# KiCad board pompyboard.kicad_pcb (continued)
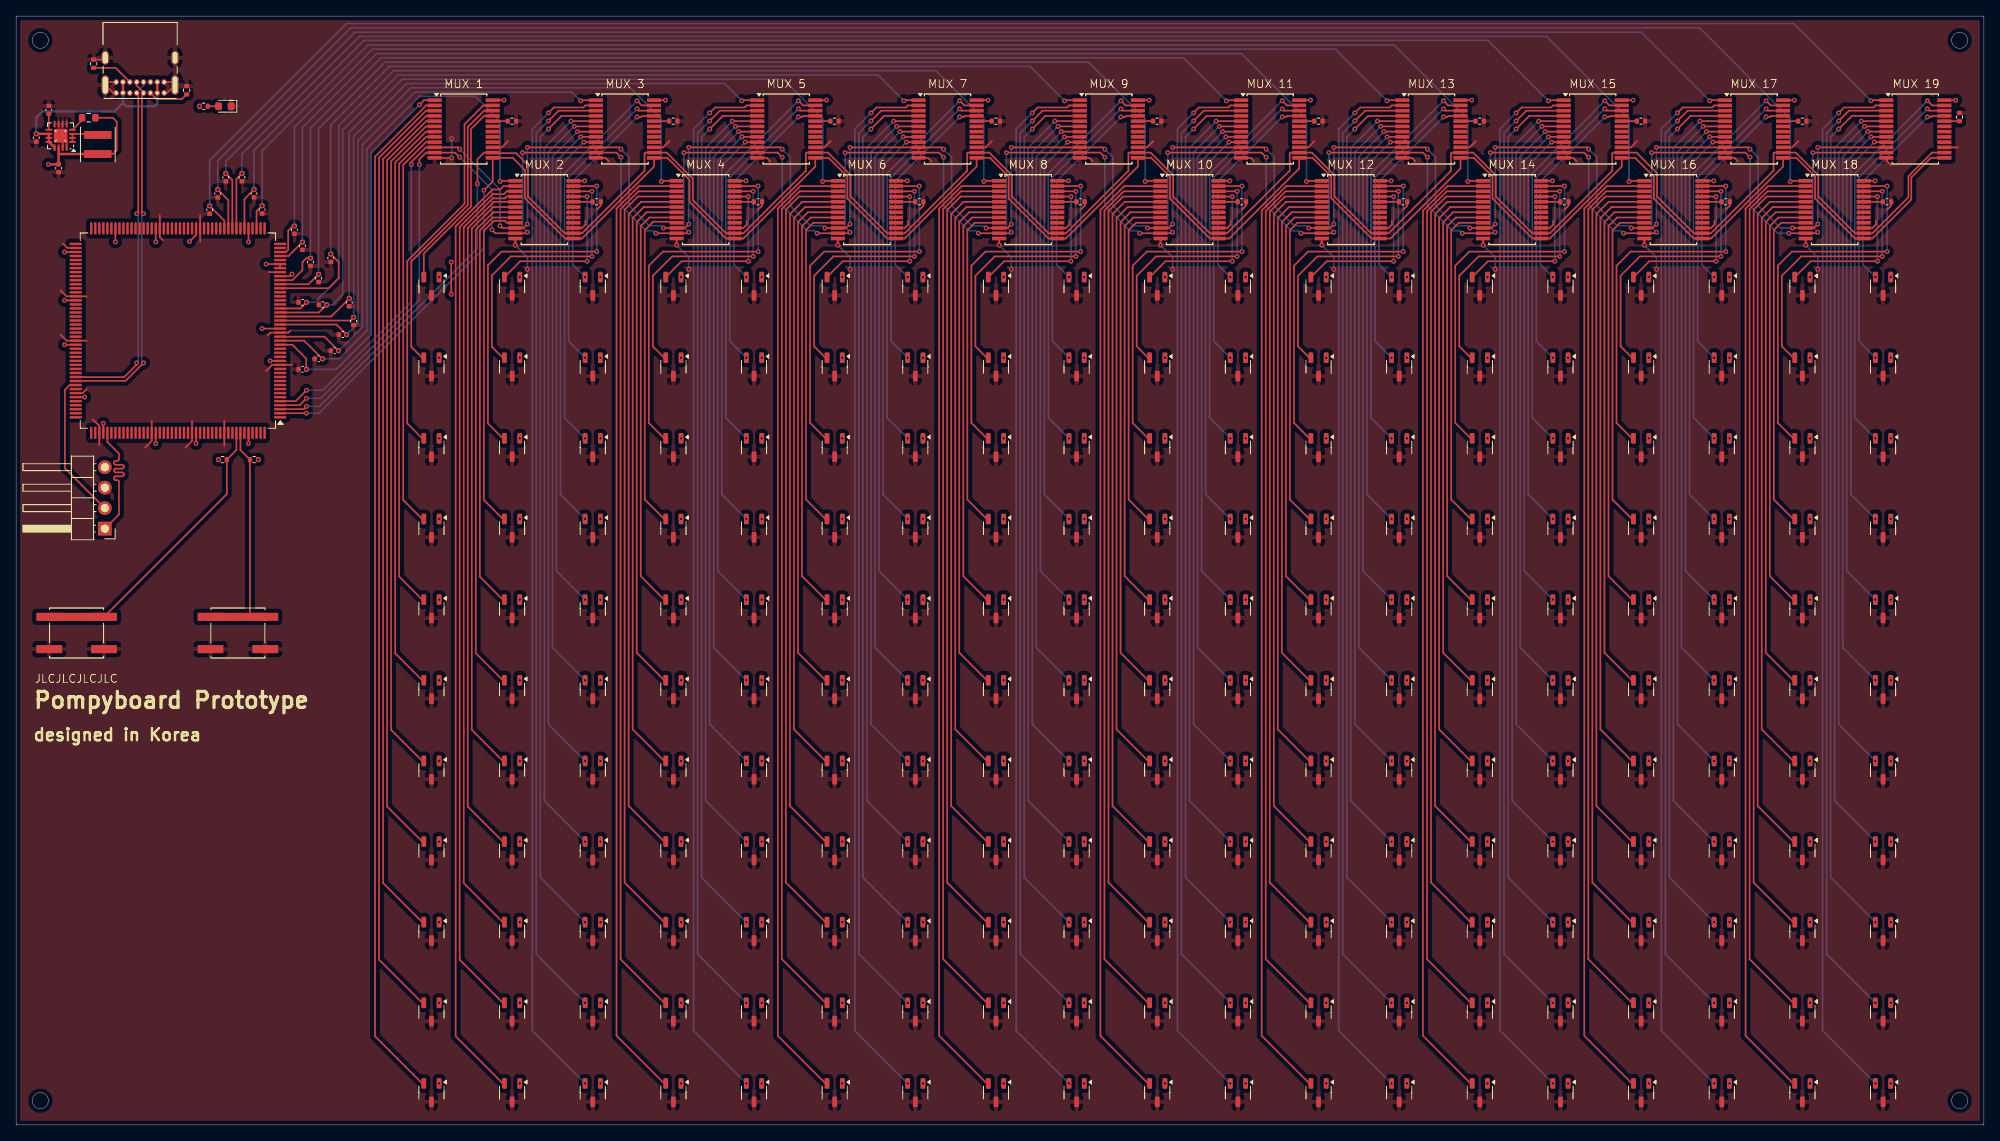
[diagram p0: board, top side]
## Footprints (pads in the part's own frame, mm; a bottom-side part is the same pattern mirrored in y, then rotated) (continued)
  rrect 0.25x0.825 smd: 5(-0.75,-1.462) 6(-0.25,-1.462) 7(0.25,-1.462) 8(0.75,-1.462) 13(0.75,1.462) 14(0.25,1.462) 15(-0.25,1.462) 16(-0.75,1.462)
  round 0.5 hole 0.2: 17(-0.59,0.59) 17(-0.59,-0.59) 17(0.59,0.59) 17(0.59,-0.59)
  rect 1.68x1.68 smd: 17(0,0)
  rect 1.68x1.68 smd far side: 17(0,0)

## Nets
3.3V: C22.1 J2.4 L1.2 R20.1 R21.1 R24.1 R25.1 U1.1 U2.1 U3.1 U4.1 U5.1 U6.1 U7.1 U8.1 U9.1 U10.1 U11.1 U12.1 U13.1 U14.1 U15.1 U16.1 U17.1 U18.1 U19.1 U20.1 U21.1 U22.1 U23.1 U24.1 U25.1 U26.1 U27.1 U28.1 U29.1 U30.1 U31.1 U32.1 U33.1 U34.1 U35.1 U36.1 U37.1 U38.1 U39.1 U40.1 U41.1 U42.1 U43.1 U44.1 U45.1 U46.1 U47.1 U48.1 U49.1 U50.1 U51.1 U52.1 U53.1 U54.1 U55.1 U56.1 U57.1 U58.1 U59.1 U60.1 U61.1 U62.1 U63.1 U64.1 U65.1 U66.1 U67.1 U68.1 U69.1 U70.1 U71.1 U72.1 U73.1 U74.1 U75.1 U76.1 U77.1 U78.1 U79.1 U80.1 U81.1 U82.1 U83.1 U84.1 U85.1 U86.1 U87.1 U88.1 U89.1 U90.1 U91.1 U92.1 U93.1 U94.1 U95.1 U96.1 U97.1 U98.1 U99.1 U100.1 U101.1 U102.1 U103.1 U104.1 U105.1 U106.1 U107.1 U108.1 U109.1 U110.1 U111.1 U112.1 U113.1 U114.1 U115.1 U116.1 U117.1 U118.1 U119.1 U120.1 U121.1 U122.1 U123.1 U124.1 U125.1 U126.1 U127.1 U128.1 U129.1 U130.1 U131.1 U132.1 U133.1 U134.1 U135.1 U136.1 U137.1 U138.1 U139.1 U140.1 U141.1 U142.1 U143.1 U144.1 U145.1 U146.1 U147.1 U148.1 U149.1 U150.1 U151.1 U152.1 U153.1 U154.1 U155.1 U156.1 U157.1 U158.1 U159.1 U160.1 U161.1 U162.1 U163.1 U164.1 U165.1 U166.1 U167.1 U168.1 U169.1 U170.1 U171.1 U172.1 U173.1 U174.1 U175.1 U176.1 U177.1 U178.1 U179.1 U180.1 U181.1 U182.1 U183.1 U184.1 U185.1 U186.1 U187.1 U188.1 U189.1 U190.1 U191.1 U192.1 U193.1 U194.1 U195.1 U196.1 U197.1 U198.1 U199.1 U200.1 U201.1 U202.1 U203.1 U204.1 U205.1 U206.1 U207.1 U208.1 U209.1 U210.24 U211.24 U212.24 U213.24 U214.24 U215.24 U216.24 U217.24 U218.24 U219.24 U220.24 U221.24 U222.24 U223.24 U224.24 U225.24 U226.24 U227.24 U228.24 U229.15 U229.23 U229.36 U229.38 U229.39 U229.49 U229.62 U229.72 U229.82 U229.91 U229.103 U229.114 U229.127 U229.136 U229.149 U229.159 U229.172 U231.14
GND: C1.1 C2.1 C3.1 C4.1 C5.1 C6.1 C7.1 C8.1 C9.1 C10.1 C11.1 C12.1 C13.1 C14.1 C15.1 C16.1 C17.1 C18.1 C19.1 C20.2 C21.2 C22.2 D1.1 J1.A1 J1.A12 J1.B1 J1.B12 J1.S1 J2.3 R1.2 R2.2 R3.2 R4.2 R5.2 R6.2 R7.2 R8.2 R9.2 R10.2 R11.2 R12.2 R13.2 R14.2 R15.2 R16.2 R17.2 R18.2 R19.2 R22.2 R23.1 SW1.2 SW2.2 U1.3 U2.3 U3.3 U4.3 U5.3 U6.3 U7.3 U8.3 U9.3 U10.3 U11.3 U12.3 U13.3 U14.3 U15.3 U16.3 U17.3 U18.3 U19.3 U20.3 U21.3 U22.3 U23.3 U24.3 U25.3 U26.3 U27.3 U28.3 U29.3 U30.3 U31.3 U32.3 U33.3 U34.3 U35.3 U36.3 U37.3 U38.3 U39.3 U40.3 U41.3 U42.3 U43.3 U44.3 U45.3 U46.3 U47.3 U48.3 U49.3 U50.3 U51.3 U52.3 U53.3 U54.3 U55.3 U56.3 U57.3 U58.3 U59.3 U60.3 U61.3 U62.3 U63.3 U64.3 U65.3 U66.3 U67.3 U68.3 U69.3 U70.3 U71.3 U72.3 U73.3 U74.3 U75.3 U76.3 U77.3 U78.3 U79.3 U80.3 U81.3 U82.3 U83.3 U84.3 U85.3 U86.3 U87.3 U88.3 U89.3 U90.3 U91.3 U92.3 U93.3 U94.3 U95.3 U96.3 U97.3 U98.3 U99.3 U100.3 U101.3 U102.3 U103.3 U104.3 U105.3 U106.3 U107.3 U108.3 U109.3 U110.3 U111.3 U112.3 U113.3 U114.3 U115.3 U116.3 U117.3 U118.3 U119.3 U120.3 U121.3 U122.3 U123.3 U124.3 U125.3 U126.3 U127.3 U128.3 U129.3 U130.3 U131.3 U132.3 U133.3 U134.3 U135.3 U136.3 U137.3 U138.3 U139.3 U140.3 U141.3 U142.3 U143.3 U144.3 U145.3 U146.3 U147.3 U148.3 U149.3 U150.3 U151.3 U152.3 U153.3 U154.3 U155.3 U156.3 U157.3 U158.3 U159.3 U160.3 U161.3 U162.3 U163.3 U164.3 U165.3 U166.3 U167.3 U168.3 U169.3 U170.3 U171.3 U172.3 U173.3 U174.3 U175.3 U176.3 U177.3 U178.3 U179.3 U180.3 U181.3 U182.3 U183.3 U184.3 U185.3 U186.3 U187.3 U188.3 U189.3 U190.3 U191.3 U192.3 U193.3 U194.3 U195.3 U196.3 U197.3 U198.3 U199.3 U200.3 U201.3 U202.3 U203.3 U204.3 U205.3 U206.3 U207.3 U208.3 U209.3 U210.12 U210.15 U211.12 U211.15 U212.12 U212.15 U213.12 U213.15 U214.12 U214.15 U215.12 U215.15 U216.12 U216.15 U217.12 U217.15 U218.12 U218.15 U219.12 U219.15 U220.12 U220.15 U221.12 U221.15 U222.12 U222.15 U223.12 U223.15 U224.12 U224.15 U225.12 U225.15 U226.12 U226.15 U227.12 U227.15 U228.12 U228.15 U229.14 U229.22 U229.37 U229.61 U229.71 U229.90 U229.102 U229.113 U229.126 U229.135 U229.148 U229.158 U229.166 U231.5 U231.6 U231.7 U231.8 U231.15 U231.16 U231.17
/sensor column0/sensor0/OUT: U1.2 U210.21
/sensor column0/sensor1/OUT: U20.2 U210.22
/sensor column0/sensor2/OUT: U39.2 U210.23
/sensor column0/sensor3/OUT: U58.2 U210.9
/sensor column0/sensor4/OUT: U77.2 U210.8
/sensor column0/sensor5/OUT: U96.2 U210.7
/sensor column0/sensor6/OUT: U115.2 U210.6
/sensor column0/sensor7/OUT: U134.2 U210.5
/sensor column0/sensor8/OUT: U153.2 U210.4
/sensor column0/sensor9/OUT: U172.2 U210.3
/sensor column0/sensor10/OUT: U191.2 U210.2
/sensor column1/sensor0/OUT: U2.2 U211.21
/sensor column1/sensor1/OUT: U21.2 U211.22
/sensor column1/sensor2/OUT: U40.2 U211.23
/sensor column1/sensor3/OUT: U59.2 U211.9
/sensor column1/sensor4/OUT: U78.2 U211.8
/sensor column1/sensor5/OUT: U97.2 U211.7
/sensor column1/sensor6/OUT: U116.2 U211.6
/sensor column1/sensor7/OUT: U135.2 U211.5
/sensor column1/sensor8/OUT: U154.2 U211.4
/sensor column1/sensor9/OUT: U173.2 U211.3
/sensor column1/sensor10/OUT: U192.2 U211.2
/sensor column2/sensor0/OUT: U3.2 U212.21
/sensor column2/sensor1/OUT: U22.2 U212.22
/sensor column2/sensor2/OUT: U41.2 U212.23
/sensor column2/sensor3/OUT: U60.2 U212.9
/sensor column2/sensor4/OUT: U79.2 U212.8
/sensor column2/sensor5/OUT: U98.2 U212.7
/sensor column2/sensor6/OUT: U117.2 U212.6
/sensor column2/sensor7/OUT: U136.2 U212.5
/sensor column2/sensor8/OUT: U155.2 U212.4
/sensor column2/sensor9/OUT: U174.2 U212.3
/sensor column2/sensor10/OUT: U193.2 U212.2
/sensor column3/sensor0/OUT: U4.2 U213.21
/sensor column3/sensor1/OUT: U23.2 U213.22
/sensor column3/sensor2/OUT: U42.2 U213.23
/sensor column3/sensor3/OUT: U61.2 U213.9
/sensor column3/sensor4/OUT: U80.2 U213.8
/sensor column3/sensor5/OUT: U99.2 U213.7
/sensor column3/sensor6/OUT: U118.2 U213.6
/sensor column3/sensor7/OUT: U137.2 U213.5
/sensor column3/sensor8/OUT: U156.2 U213.4
/sensor column3/sensor9/OUT: U175.2 U213.3
/sensor column3/sensor10/OUT: U194.2 U213.2
/sensor column4/sensor0/OUT: U5.2 U214.21
/sensor column4/sensor1/OUT: U24.2 U214.22
/sensor column4/sensor2/OUT: U43.2 U214.23
/sensor column4/sensor3/OUT: U62.2 U214.9
/sensor column4/sensor4/OUT: U81.2 U214.8
/sensor column4/sensor5/OUT: U100.2 U214.7
/sensor column4/sensor6/OUT: U119.2 U214.6
/sensor column4/sensor7/OUT: U138.2 U214.5
/sensor column4/sensor8/OUT: U157.2 U214.4
/sensor column4/sensor9/OUT: U176.2 U214.3
/sensor column4/sensor10/OUT: U195.2 U214.2
/sensor column5/sensor0/OUT: U6.2 U215.21
/sensor column5/sensor1/OUT: U25.2 U215.22
/sensor column5/sensor2/OUT: U44.2 U215.23
/sensor column5/sensor3/OUT: U63.2 U215.9
/sensor column5/sensor4/OUT: U82.2 U215.8
/sensor column5/sensor5/OUT: U101.2 U215.7
/sensor column5/sensor6/OUT: U120.2 U215.6
/sensor column5/sensor7/OUT: U139.2 U215.5
/sensor column5/sensor8/OUT: U158.2 U215.4
/sensor column5/sensor9/OUT: U177.2 U215.3
/sensor column5/sensor10/OUT: U196.2 U215.2
/sensor column6/sensor0/OUT: U7.2 U216.21
/sensor column6/sensor1/OUT: U26.2 U216.22
/sensor column6/sensor2/OUT: U45.2 U216.23
/sensor column6/sensor3/OUT: U64.2 U216.9
/sensor column6/sensor4/OUT: U83.2 U216.8
/sensor column6/sensor5/OUT: U102.2 U216.7
/sensor column6/sensor6/OUT: U121.2 U216.6
/sensor column6/sensor7/OUT: U140.2 U216.5
/sensor column6/sensor8/OUT: U159.2 U216.4
/sensor column6/sensor9/OUT: U178.2 U216.3
/sensor column6/sensor10/OUT: U197.2 U216.2
/sensor column7/sensor0/OUT: U8.2 U217.21
/sensor column7/sensor1/OUT: U27.2 U217.22
/sensor column7/sensor2/OUT: U46.2 U217.23
/sensor column7/sensor3/OUT: U65.2 U217.9
/sensor column7/sensor4/OUT: U84.2 U217.8
/sensor column7/sensor5/OUT: U103.2 U217.7
/sensor column7/sensor6/OUT: U122.2 U217.6
/sensor column7/sensor7/OUT: U141.2 U217.5
/sensor column7/sensor8/OUT: U160.2 U217.4
/sensor column7/sensor9/OUT: U179.2 U217.3
/sensor column7/sensor10/OUT: U198.2 U217.2
/sensor column8/sensor0/OUT: U9.2 U218.21
/sensor column8/sensor1/OUT: U28.2 U218.22
/sensor column8/sensor2/OUT: U47.2 U218.23
/sensor column8/sensor3/OUT: U66.2 U218.9
/sensor column8/sensor4/OUT: U85.2 U218.8
/sensor column8/sensor5/OUT: U104.2 U218.7
/sensor column8/sensor6/OUT: U123.2 U218.6
/sensor column8/sensor7/OUT: U142.2 U218.5
/sensor column8/sensor8/OUT: U161.2 U218.4
/sensor column8/sensor9/OUT: U180.2 U218.3
/sensor column8/sensor10/OUT: U199.2 U218.2
/sensor column9/sensor0/OUT: U10.2 U219.21
/sensor column9/sensor1/OUT: U29.2 U219.22
/sensor column9/sensor2/OUT: U48.2 U219.23
/sensor column9/sensor3/OUT: U67.2 U219.9
/sensor column9/sensor4/OUT: U86.2 U219.8
/sensor column9/sensor5/OUT: U105.2 U219.7
/sensor column9/sensor6/OUT: U124.2 U219.6
/sensor column9/sensor7/OUT: U143.2 U219.5
/sensor column9/sensor8/OUT: U162.2 U219.4
/sensor column9/sensor9/OUT: U181.2 U219.3
/sensor column9/sensor10/OUT: U200.2 U219.2
/sensor column10/sensor0/OUT: U11.2 U220.21
/sensor column10/sensor1/OUT: U30.2 U220.22
/sensor column10/sensor2/OUT: U49.2 U220.23
/sensor column10/sensor3/OUT: U68.2 U220.9
/sensor column10/sensor4/OUT: U87.2 U220.8
/sensor column10/sensor5/OUT: U106.2 U220.7
/sensor column10/sensor6/OUT: U125.2 U220.6
/sensor column10/sensor7/OUT: U144.2 U220.5
/sensor column10/sensor8/OUT: U163.2 U220.4
/sensor column10/sensor9/OUT: U182.2 U220.3
/sensor column10/sensor10/OUT: U201.2 U220.2
/sensor column11/sensor0/OUT: U12.2 U221.21
/sensor column11/sensor1/OUT: U31.2 U221.22
/sensor column11/sensor2/OUT: U50.2 U221.23
/sensor column11/sensor3/OUT: U69.2 U221.9
/sensor column11/sensor4/OUT: U88.2 U221.8
/sensor column11/sensor5/OUT: U107.2 U221.7
/sensor column11/sensor6/OUT: U126.2 U221.6
/sensor column11/sensor7/OUT: U145.2 U221.5
/sensor column11/sensor8/OUT: U164.2 U221.4
/sensor column11/sensor9/OUT: U183.2 U221.3
/sensor column11/sensor10/OUT: U202.2 U221.2
/sensor column12/sensor0/OUT: U13.2 U222.21
/sensor column12/sensor1/OUT: U32.2 U222.22
/sensor column12/sensor2/OUT: U51.2 U222.23
/sensor column12/sensor3/OUT: U70.2 U222.9
/sensor column12/sensor4/OUT: U89.2 U222.8
/sensor column12/sensor5/OUT: U108.2 U222.7
/sensor column12/sensor6/OUT: U127.2 U222.6
/sensor column12/sensor7/OUT: U146.2 U222.5
/sensor column12/sensor8/OUT: U165.2 U222.4
/sensor column12/sensor9/OUT: U184.2 U222.3
/sensor column12/sensor10/OUT: U203.2 U222.2
/sensor column13/sensor0/OUT: U14.2 U223.21
/sensor column13/sensor1/OUT: U33.2 U223.22
/sensor column13/sensor2/OUT: U52.2 U223.23
/sensor column13/sensor3/OUT: U71.2 U223.9
/sensor column13/sensor4/OUT: U90.2 U223.8
/sensor column13/sensor5/OUT: U109.2 U223.7
/sensor column13/sensor6/OUT: U128.2 U223.6
/sensor column13/sensor7/OUT: U147.2 U223.5
/sensor column13/sensor8/OUT: U166.2 U223.4
/sensor column13/sensor9/OUT: U185.2 U223.3
/sensor column13/sensor10/OUT: U204.2 U223.2
/sensor column14/sensor0/OUT: U15.2 U224.21
/sensor column14/sensor1/OUT: U34.2 U224.22
/sensor column14/sensor2/OUT: U53.2 U224.23
/sensor column14/sensor3/OUT: U72.2 U224.9
/sensor column14/sensor4/OUT: U91.2 U224.8
/sensor column14/sensor5/OUT: U110.2 U224.7
/sensor column14/sensor6/OUT: U129.2 U224.6
/sensor column14/sensor7/OUT: U148.2 U224.5
/sensor column14/sensor8/OUT: U167.2 U224.4
/sensor column14/sensor9/OUT: U186.2 U224.3
/sensor column14/sensor10/OUT: U205.2 U224.2
/sensor column15/sensor0/OUT: U16.2 U225.21
/sensor column15/sensor1/OUT: U35.2 U225.22
/sensor column15/sensor2/OUT: U54.2 U225.23
/sensor column15/sensor3/OUT: U73.2 U225.9
/sensor column15/sensor4/OUT: U92.2 U225.8
/sensor column15/sensor5/OUT: U111.2 U225.7
/sensor column15/sensor6/OUT: U130.2 U225.6
/sensor column15/sensor7/OUT: U149.2 U225.5
/sensor column15/sensor8/OUT: U168.2 U225.4
/sensor column15/sensor9/OUT: U187.2 U225.3
/sensor column15/sensor10/OUT: U206.2 U225.2
/sensor column16/sensor0/OUT: U17.2 U226.21
/sensor column16/sensor1/OUT: U36.2 U226.22
/sensor column16/sensor2/OUT: U55.2 U226.23
/sensor column16/sensor3/OUT: U74.2 U226.9
/sensor column16/sensor4/OUT: U93.2 U226.8
/sensor column16/sensor5/OUT: U112.2 U226.7
/sensor column16/sensor6/OUT: U131.2 U226.6
/sensor column16/sensor7/OUT: U150.2 U226.5
/sensor column16/sensor8/OUT: U169.2 U226.4
/sensor column16/sensor9/OUT: U188.2 U226.3
/sensor column16/sensor10/OUT: U207.2 U226.2
/sensor column17/sensor0/OUT: U18.2 U227.21
/sensor column17/sensor1/OUT: U37.2 U227.22
/sensor column17/sensor2/OUT: U56.2 U227.23
/sensor column17/sensor3/OUT: U75.2 U227.9
/sensor column17/sensor4/OUT: U94.2 U227.8
/sensor column17/sensor5/OUT: U113.2 U227.7
/sensor column17/sensor6/OUT: U132.2 U227.6
/sensor column17/sensor7/OUT: U151.2 U227.5
/sensor column17/sensor8/OUT: U170.2 U227.4
/sensor column17/sensor9/OUT: U189.2 U227.3
/sensor column17/sensor10/OUT: U208.2 U227.2
/sensor column18/sensor0/OUT: U19.2 U228.21
/sensor column18/sensor1/OUT: U38.2 U228.22
/sensor column18/sensor2/OUT: U57.2 U228.23
/sensor column18/sensor3/OUT: U76.2 U228.9
/sensor column18/sensor4/OUT: U95.2 U228.8
/sensor column18/sensor5/OUT: U114.2 U228.7
/sensor column18/sensor6/OUT: U133.2 U228.6
/sensor column18/sensor7/OUT: U152.2 U228.5
/sensor column18/sensor8/OUT: U171.2 U228.4
/sensor column18/sensor9/OUT: U190.2 U228.3
/sensor column18/sensor10/OUT: U209.2 U228.2
D+: J1.A6 J1.B6 U229.123
D-: J1.A7 J1.B7 U229.122
MUX0_OUT: C1.2 U210.1 U229.19
MUX1_OUT: C2.2 U211.1 U229.20
MUX2_OUT: C3.2 U212.1 U229.21
MUX3_OUT: C4.2 U213.1 U229.24
MUX4_OUT: C5.2 U214.1 U229.25
MUX5_OUT: C6.2 U215.1 U229.26
MUX6_OUT: C7.2 U216.1 U229.27
MUX7_OUT: C8.2 U217.1 U229.28
MUX8_OUT: C9.2 U218.1 U229.33
MUX9_OUT: C10.2 U219.1 U229.34
MUX10_OUT: C11.2 U220.1 U229.35
MUX11_OUT: C12.2 U221.1 U229.41
MUX12_OUT: C13.2 U222.1 U229.42
MUX13_OUT: C14.2 U223.1 U229.47
MUX14_OUT: C15.2 U224.1 U229.50
MUX15_OUT: C16.2 U225.1 U229.52
MUX16_OUT: C17.2 U226.1 U229.53
MUX17_OUT: C18.2 U227.1 U229.54
MUX18_OUT: C19.2 U228.1 U229.55
S0: U210.10 U211.10 U212.10 U213.10 U214.10 U215.10 U216.10 U217.10 U218.10 U219.10 U220.10 U221.10 U222.10 U223.10 U224.10 U225.10 U226.10 U227.10 U228.10 U229.5
S1: U210.11 U211.11 U212.11 U213.11 U214.11 U215.11 U216.11 U217.11 U218.11 U219.11 U220.11 U221.11 U222.11 U223.11 U224.11 U225.11 U226.11 U227.11 U228.11 U229.4
S2: U210.14 U211.14 U212.14 U213.14 U214.14 U215.14 U216.14 U217.14 U218.14 U219.14 U220.14 U221.14 U222.14 U223.14 U224.14 U225.14 U226.14 U227.14 U228.14 U229.3
S3: U210.13 U211.13 U212.13 U213.13 U214.13 U215.13 U216.13 U217.13 U218.13 U219.13 U220.13 U221.13 U222.13 U223.13 U224.13 U225.13 U226.13 U227.13 U228.13 U229.2
VI: C20.1 J1.A4 J1.A9 J1.B4 J1.B9 U231.10 U231.11 U231.12 U231.13
Net-(D1-A): D1.2 R25.2
Net-(J1-CC1): J1.A5 R23.2
Net-(J1-CC2): J1.B5 R22.1
Net-(J2-Pin_1): J2.1 U229.137
Net-(J2-Pin_2): J2.2 U229.124
Net-(L1-Pad1): L1.1 U231.1 U231.2 U231.3
Net-(U210-I11): R1.1 U210.20
Net-(U211-I11): R2.1 U211.20
Net-(U212-I11): R3.1 U212.20
Net-(U213-I11): R4.1 U213.20
Net-(U214-I11): R5.1 U214.20
Net-(U215-I11): R6.1 U215.20
Net-(U216-I11): R7.1 U216.20
Net-(U217-I11): R8.1 U217.20
Net-(U218-I11): R9.1 U218.20
Net-(U219-I11): R10.1 U219.20
Net-(U220-I11): R11.1 U220.20
Net-(U221-I11): R12.1 U221.20
Net-(U222-I11): R13.1 U222.20
Net-(U223-I11): R14.1 U223.20
Net-(U224-I11): R15.1 U224.20
Net-(U225-I11): R16.1 U225.20
Net-(U226-I11): R17.1 U226.20
Net-(U227-I11): R18.1 U227.20
Net-(U228-I11): R19.1 U228.20
Net-(U229-PE0): R21.2 SW2.1 U229.169
Net-(U229-PE1): R20.2 SW1.1 U229.170
Net-(U231-PG): R24.2 U231.4
Net-(U231-SS/TR): C21.1 U231.9

Pads without a net: J1 A8 B8; U210 16 17 18 19; U211 16 17 18 19; U212 16 17 18 19; U213 16 17 18 19; U214 16 17 18 19; U215 16 17 18 19; U216 16 17 18 19; U217 16 17 18 19; U218 16 17 18 19; U219 16 17 18 19; U220 16 17 18 19; U221 16 17 18 19; U222 16 17 18 19; U223 16 17 18 19; U224 16 17 18 19; U225 16 17 18 19; U226 16 17 18 19; U227 16 17 18 19; U228 16 17 18 19; U229 1 6 7 8 9 10 11 12 13 16 17 18 29 30 31 32 40 43 44 45 46 48 51 56 57 58 59 60 63 64 65 66 67 68 69 70 73 74 75 76 77 78 79 80 81 83 84 85 86 87 88 89 92 93 94 95 96 97 98 99 100 101 104 105 106 107 108 109 110 111 112 115 116 117 118 119 120 121 125 128 129 130 131 132 133 134 138 139 140 141 142 143 144 145 146 147 150 151 152 153 154 155 156 157 160 161 162 163 164 165 167 168 171 173 174 175 176

## Via types
v1: diameter 0.6, hole 0.3, Top to Bottom, 645 vias

## Routing (per net, layer and track width the routed paths; a pad name or vN(x,y) marks a point on that pad's centre or on a via; arc(x,y) is an arc through that point)
3.3V: length 75.7
  Top w0.2: 32.1,105.25 U229.36 33.95,105.25 v1(34.2,105.5) ; v1(30.5,98.75) U229.23 ; v1(70.5,117.08) U211.24 ; 119.1,126.95 U216.24 v1(120.5,127.08) ; 6.75,90.25 U229.127 v1(8.5,90.25) ; v1(31,106.75) U229.39 U229.38 ; v1(28.81,109.5) U229.49 ; 25.1,82.5 v1(25.12,82.5) ; v1(210.5,117.08) U225.24 ; 88.92,117.08 U213.24 v1(90.5,117.08) ; 199.1,126.95 U224.24 v1(200.5,127.08) ; v1(240.5,127.08) 239.2,127.08 ; L1.2 11.98,120.4 12.48,120.9 12.48,124.4 11.98,124.9 R24.1 ; U229.159 v1(22.31,84.5) ; v1(6,96.75) U229.114 ; v1(80.5,127.08) U212.24 79.42,127.08 79.55,126.95 ; 189.08,117.08 U223.24 v1(190.5,117.08) ; v1(150.5,117.08) U219.24 149.08,117.08 ; 99.1,126.95 U214.24 v1(100.5,127.08) ; U229.62 22.31,110.36 v1(21.5,109.55) ; v1(53.95,103) v1(53.95,107) ; v1(220.5,127.08) U226.24 ; v1(170.5,117.08) U221.24 ; v1(110.5,117.08) U215.24 ; v1(180.5,127.08) U222.24 ; v1(130.5,117.08) U217.24 ; v1(6,108.25) U229.91 ; v1(140.5,127.08) U218.24 ; v1(17.31,109.5) U229.72 ; 159.1,126.95 U220.24 v1(160.5,127.08) ; v1(31.5,94.75) U229.15 ; v1(12.31,109.5) U229.82 ; U229.149 v1(17.31,84.5) ; 59.1,126.95 U210.24 v1(60.5,127.08) ; 52.52,105.21 v1(52.45,105.14) ; v1(230.5,117.08) U227.24 ; v1(6,102.25) U229.103 8.03,102.25 ; v1(28.81,84.5) U229.172 ; U229.136 v1(10.81,87)
  Top w0.3: U231.14 C22.1 v1(4,119.11) ; L1.2 5.27,120.4
  vias: v1(22.75,126.33) v1(30.02,82.5) v1(52.45,95.14) v1(52.45,85.14) v1(52.45,75.14) v1(52.45,65.14) v1(52.45,55.14) v1(52.45,45.14) v1(52.45,35.14) v1(52.45,25.14) v1(52.45,15.14) v1(52.45,5.14) v1(62.45,105.14) v1(62.45,95.14) v1(62.45,85.14) v1(62.45,75.14) v1(62.45,65.14) v1(62.45,55.14) v1(62.45,45.14) v1(62.45,35.14) v1(62.45,25.14) v1(62.45,15.14) v1(62.45,5.14) v1(72.45,105.14) v1(72.45,95.14) v1(72.45,85.14) v1(72.45,75.14) v1(72.45,65.14) v1(72.45,55.14) v1(72.45,45.14) v1(72.45,35.14) v1(72.45,25.14) v1(72.45,15.14) v1(72.45,5.14) v1(82.45,105.14) v1(82.45,95.14) v1(82.45,85.14) v1(82.45,75.14) v1(82.45,65.14) v1(82.45,55.14) v1(82.45,45.14) v1(82.45,35.14) v1(82.45,25.14) v1(82.45,15.14) v1(82.45,5.14) v1(92.45,105.14) v1(92.45,95.14) v1(92.45,85.14) v1(92.45,75.14) v1(92.45,65.14) v1(92.45,55.14) v1(92.45,45.14) v1(92.45,35.14) v1(92.45,25.14) v1(92.45,15.14) v1(92.45,5.14) v1(102.45,105.14) v1(102.45,95.14) v1(102.45,85.14) v1(102.45,75.14) v1(102.45,65.14) v1(102.45,55.14) v1(102.45,45.14) v1(102.45,35.14) v1(102.45,25.14) v1(102.45,15.14) v1(102.45,5.14) v1(112.45,105.14) v1(112.45,95.14) v1(112.45,85.14) v1(112.45,75.14) v1(112.45,65.14) v1(112.45,55.14) v1(112.45,45.14) v1(112.45,35.14) v1(112.45,25.14) v1(112.45,15.14) v1(112.45,5.14) v1(122.45,105.14) v1(122.45,95.14) v1(122.45,85.14) v1(122.45,75.14) v1(122.45,65.14) v1(122.45,55.14) v1(122.45,45.14) v1(122.45,35.14) v1(122.45,25.14) v1(122.45,15.14) v1(122.45,5.14) v1(132.45,105.14) v1(132.45,95.14) v1(132.45,85.14) v1(132.45,75.14) v1(132.45,65.14) v1(132.45,55.14) v1(132.45,45.14) v1(132.45,35.14) v1(132.45,25.14) v1(132.45,15.14) v1(132.45,5.14) v1(142.45,105.14) v1(142.45,95.14) v1(142.45,85.14) v1(142.45,75.14) v1(142.45,65.14) v1(142.45,55.14) v1(142.45,45.14) v1(142.45,35.14) v1(142.45,25.14) v1(142.45,15.14) v1(142.45,5.14) v1(152.45,105.14) v1(152.45,95.14) v1(152.45,85.14) v1(152.45,75.14) v1(152.45,65.14) v1(152.45,55.14) v1(152.45,45.14) v1(152.45,35.14) v1(152.45,25.14) v1(152.45,15.14) v1(152.45,5.14) v1(162.45,105.14) v1(162.45,95.14) v1(162.45,85.14) v1(162.45,75.14) v1(162.45,65.14) v1(162.45,55.14) v1(162.45,45.14) v1(162.45,35.14) v1(162.45,25.14) v1(162.45,15.14) v1(162.45,5.14) v1(172.45,105.14) v1(172.45,95.14) v1(172.45,85.14) v1(172.45,75.14) v1(172.45,65.14) v1(172.45,55.14) v1(172.45,45.14) v1(172.45,35.14) v1(172.45,25.14) v1(172.45,15.14) v1(172.45,5.14) v1(182.45,105.14) v1(182.45,95.14) v1(182.45,85.14) v1(182.45,75.14) v1(182.45,65.14) v1(182.45,55.14) v1(182.45,45.14) v1(182.45,35.14) v1(182.45,25.14) v1(182.45,15.14) v1(182.45,5.14) v1(192.45,105.14) v1(192.45,95.14) v1(192.45,85.14) v1(192.45,75.14) v1(192.45,65.14) v1(192.45,55.14) v1(192.45,45.14) v1(192.45,35.14) v1(192.45,25.14) v1(192.45,15.14) v1(192.45,5.14) v1(202.45,105.14) v1(202.45,95.14) v1(202.45,85.14) v1(202.45,75.14) v1(202.45,65.14) v1(202.45,55.14) v1(202.45,45.14) v1(202.45,35.14) v1(202.45,25.14) v1(202.45,15.14) v1(202.45,5.14) v1(212.45,105.14) v1(212.45,95.14) v1(212.45,85.14) v1(212.45,75.14) v1(212.45,65.14) v1(212.45,55.14) v1(212.45,45.14) v1(212.45,35.14) v1(212.45,25.14) v1(212.45,15.14) v1(212.45,5.14) v1(222.45,105.14) v1(222.45,95.14) v1(222.45,85.14) v1(222.45,75.14) v1(222.45,65.14) v1(222.45,55.14) v1(222.45,45.14) v1(222.45,35.14) v1(222.45,25.14) v1(222.45,15.14) v1(222.45,5.14) v1(232.45,105.14) v1(232.45,95.14) v1(232.45,85.14) v1(232.45,75.14) v1(232.45,65.14) v1(232.45,55.14) v1(232.45,45.14) v1(232.45,35.14) v1(232.45,25.14) v1(232.45,15.14) v1(232.45,5.14)
GND: length 161.6
  Top w0.2: J1.A12 12.03,127.97 J1.S1 11.42,129.32 12.4,129.32 ; U222.12 173.07,119.92 173.5,119.5 ; 153.5,119.5 153.07,119.92 U220.12 ; 73.5,119.5 73.08,119.92 U212.12 ; 92,113.5 92.5,114 R4.2 ; 232.5,119 232,119.5 232,119.92 232.03,119.9 ; 70.6,112.1 70.6,111.65 70.17,111.22 U211.15 ; R8.2 132.5,114 132,113.5 ; 72,113.5 72.5,114 R2.2 ; R16.2 212.5,114 212,113.5 ; U229.126 8.25,90.75 8.75,91.25 ; U216.12 113.07,119.92 113.5,119.5 ; 22.81,112.81 U229.61 22.81,109.51 ; 221,122 220.22,121.22 U226.15 ; R18.2 232.5,114 232,113.5 ; U220.15 160.22,121.22 161,122 ; U221.15 170.18,111.22 170.6,111.65 170.6,112.1 ; 17.81,112.81 U229.71 17.81,110.09 18.2,109.7 ; 150.6,112.1 150.6,111.65 150.18,111.22 U219.15 ; 130.6,112.1 130.6,111.65 130.18,111.22 U217.15 ; R22.2 10.82,132.11 J1.S1 ; 93.5,119.5 93.08,119.92 U214.12 ; U215.15 110.18,111.22 110.6,111.65 110.6,112.1 ; 21.81,87.31 U229.158 21.81,84.81 21,84 ; U225.12 v1(201.9,109.1) ; 31.2,97.9 31.55,98.25 U229.22 33.75,98.25 34,98.5 ; R10.2 152.5,114 152,113.5 ; R14.2 192.5,114 192,113.5 ; U224.15 200.22,121.22 201,122 ; 31,93.5 31.75,94.25 U229.14 34.25,94.25 ; 141,122 140.22,121.22 U218.15 ; 25.81,84.19 U229.166 25.81,87.31 ; 81,122 80.22,121.22 U212.15 ; 172,113.5 172.5,114 R12.2 ; U227.15 230.18,111.22 230.6,111.65 230.6,112.1 ; v1(54,119.92) U210.12 ; U210.15 60.22,121.22 61,122 ; 5.5,103.5 6.25,102.75 U229.102 8.75,102.75 ; 5.5,98 6.25,97.25 U229.113 8.75,97.25 ; 213.5,119.5 213.07,119.92 U226.12 ; 9.5,87.5 10.31,86.69 U229.135 10.31,84.31 ; U223.12 v1(181.9,109.1) ; 190.6,112.1 190.6,111.65 190.18,111.22 U223.15 ; R6.2 112.5,114 112,113.5 ; U221.12 v1(161.9,109.1) ; J1.A1 18.72,127.97 J1.S1 19.33,129.32 18.35,129.32 ; 121,122 120.22,121.22 U216.15 ; 181,122 180.22,121.22 U222.15 ; U213.15 90.17,111.22 90.6,111.65 90.6,112.1 ; 193.5,119.5 193.07,119.92 U224.12 ; U231.15 5.77,122.4 U231.17 6.27,121.9 U231.16 ; U218.12 133.07,119.92 133.5,119.5 ; U217.12 v1(121.9,109.1) ; U214.15 100.22,121.22 101,122 ; U227.12 v1(221.9,109.1) ; 16.81,87.31 U229.148 16.81,84.81 16,84 ; U219.12 v1(141.9,109.1) ; U225.15 210.18,111.22 210.6,111.65 210.6,112.1 ; 5.8,109.3 6.35,108.75 U229.90 ; U215.12 v1(101.9,109.1) ; U229.37 31.35,105.75 ; U213.12 v1(81.9,109.1) ; 239.2,121.22 240.77,121.22 ; U211.12 v1(61.9,109.1)
  Bottom w0.2: v1(81.9,109.1) 83.4,107.6 v1(83.4,106.1) ; v1(223.4,106.1) 223.4,107.6 v1(221.9,109.1) ; v1(61.9,109.1) 63.4,107.6 v1(63.4,106.1) ; v1(54,119.92) v1(54,122.3) ; v1(141.9,109.1) 143.4,107.6 v1(143.4,106.1) ; v1(121.9,109.1) 123.4,107.6 v1(123.4,106.1) ; v1(163.4,106.1) 163.4,107.6 v1(161.9,109.1) ; v1(181.9,109.1) 183.4,107.6 v1(183.4,106.1) ; v1(201.9,109.1) 203.4,107.6 v1(203.4,106.1) ; v1(103.4,106.1) 103.4,107.6 v1(101.9,109.1)
/sensor column0/sensor0/OUT: length 24.2
  Top w0.2: U1.2 50.55,108.05 56.4,113.9 56.4,123.5 58.03,125.12 U210.21
/sensor column0/sensor1/OUT: length 36.3
  Top w0.2: 50.55,94.94 49,96.49 49,107.07 56,114.07 56,123.75 58.03,125.78 U210.22
/sensor column0/sensor2/OUT: length 47.4
  Top w0.2: 50.55,84.94 48.5,86.99 48.5,107.13 55.6,114.23 55.6,124.1 57.92,126.42 U210.23
/sensor column0/sensor3/OUT: length 50.2
  Top w0.2: U210.9 50.83,121.88 48,119.05 48,77.49 50.55,74.94
/sensor column0/sensor4/OUT: length 61.3
  Top w0.2: U210.8 50.83,122.53 47.5,119.2 47.5,67.99 50.55,64.94
/sensor column0/sensor5/OUT: length 72.4
  Top w0.2: 50.55,54.94 47,58.49 47,119.35 50.83,123.17 U210.7
/sensor column0/sensor6/OUT: length 83.4
  Top w0.2: 50.55,44.94 46.5,48.99 46.5,119.5 50.83,123.83 U210.6
/sensor column0/sensor7/OUT: length 94.5
  Top w0.2: U210.5 50.85,124.47 46,119.63 46,39.49 50.55,34.94
/sensor column0/sensor8/OUT: length 105.5
  Top w0.2: 50.55,24.94 45.5,29.99 45.5,119.78 50.85,125.12 U210.4
/sensor column0/sensor9/OUT: length 116.6
  Top w0.2: 50.55,14.94 45,20.49 45,119.95 50.83,125.78 U210.3
/sensor column0/sensor10/OUT: length 127.7
  Top w0.2: U210.2 50.85,126.42 44.5,120.08 44.5,10.99 50.55,4.94
/sensor column1/sensor0/OUT: length 20.8
  Top w0.2: U2.2 62.51,107.1 v1(70.8,107.1) ; v1(70.8,115.12) U211.21
  Bottom w0.2: v1(70.8,107.1) v1(70.8,115.12)
/sensor column1/sensor1/OUT: length 34.8
  Top w0.2: 60.55,94.94 59,96.49 59,105.35 61.35,107.7 v1(71.4,107.7) ; v1(71.4,115.78) U211.22
  Bottom w0.2: v1(71.4,115.78) v1(71.4,107.7)
/sensor column1/sensor2/OUT: length 47.7
  Top w0.2: 60.55,84.94 58.5,86.99 58.5,106.6 60.2,108.3 v1(72,108.3) ; v1(72,116.42) U211.23
  Bottom w0.2: v1(72,108.3) v1(72,116.42)
/sensor column1/sensor3/OUT: length 41.5
  Top w0.2: 60.55,74.94 58,77.49 58,110.87 59.26,112.12 60.6,112.12 60.85,111.88 U211.9
/sensor column1/sensor4/OUT: length 52.3
  Top w0.2: U211.8 59.09,112.53 57.5,110.93 57.5,67.99 60.55,64.94
/sensor column1/sensor5/OUT: length 63.3
  Top w0.2: U211.7 59.17,113.17 57,111 57,58.49 60.55,54.94
/sensor column1/sensor6/OUT: length 74.4
  Top w0.2: 60.55,44.94 56.5,48.99 56.5,111.16 59.16,113.83 U211.6
/sensor column1/sensor7/OUT: length 85.4
  Top w0.2: 60.55,34.94 56,39.49 56,111.23 59.24,114.47 U211.5
/sensor column1/sensor8/OUT: length 96.4
  Top w0.2: U211.4 60.85,115.12 60.62,114.9 59.1,114.9 55.5,111.3 55.5,29.99 60.55,24.94
/sensor column1/sensor9/OUT: length 107.5
  Top w0.2: 60.55,14.94 55,20.49 55,111.37 59.07,115.43 60.48,115.43 60.83,115.78 U211.3
/sensor column1/sensor10/OUT: length 118.5
  Top w0.2: 60.55,4.94 54.5,10.99 54.5,111.43 59.07,116 60,116 60.42,116.42 U211.2
/sensor column2/sensor0/OUT: length 26
  Top w0.2: v1(77,125) 77.5,125 77.62,125.12 U212.21
  Bottom w0.2: v1(77,125) 69,117 69,106.69 v1(70.55,105.14)
/sensor column2/sensor1/OUT: length 37.4
  Top w0.2: U212.22 77.22,125.78 v1(77,126)
  Bottom w0.2: v1(70.55,95.14) 68.5,97.19 68.5,117.5 v1(77,126)
/sensor column2/sensor2/OUT: length 49
  Top w0.2: U212.23 77.58,126.42 v1(77,127)
  Bottom w0.2: v1(77,127) 68,118 68,87.69 v1(70.55,85.14)
/sensor column2/sensor3/OUT: length 50.7
  Top w0.2: v1(70.4,121.88) U212.9
  Bottom w0.2: v1(70.55,75.14) 67.5,78.19 67.5,118.97 v1(70.4,121.88)
/sensor column2/sensor4/OUT: length 62
  Top w0.2: v1(70,122.53) U212.8
  Bottom w0.2: v1(70.55,65.14) 67,68.69 67,119.53 v1(70,122.53)
/sensor column2/sensor5/OUT: length 73.3
  Top w0.2: v1(69.6,123.17) U212.7
  Bottom w0.2: v1(69.6,123.17) 66.5,120.08 66.5,59.19 v1(70.55,55.14)
/sensor column2/sensor6/OUT: length 84.6
  Top w0.2: v1(69.2,123.83) U212.6
  Bottom w0.2: v1(69.2,123.83) 66,120.62 66,49.69 v1(70.55,45.14)
/sensor column2/sensor7/OUT: length 95.9
  Top w0.2: v1(68.8,124.47) U212.5
  Bottom w0.2: v1(68.8,124.47) 65.5,121.17 65.5,40.19 v1(70.55,35.14)
/sensor column2/sensor8/OUT: length 107.6
  Top w0.2: U212.4 67.62,125.12 v1(66,123.5)
  Bottom w0.2: v1(70.55,25.14) 65,30.69 65,122.5 v1(66,123.5)
/sensor column2/sensor9/OUT: length 118.9
  Top w0.2: U212.3 67.28,125.78 v1(66,124.5)
  Bottom w0.2: v1(66,124.5) 64.5,123 64.5,21.19 v1(70.55,15.14)
/sensor column2/sensor10/OUT: length 130.2
  Top w0.2: v1(66,125.5) 66.68,126.18 70.33,126.18 70.58,126.42 U212.2
  Bottom w0.2: v1(66,125.5) 64,123.5 64,11.69 v1(70.55,5.14)
/sensor column3/sensor0/OUT: length 20.8
  Top w0.2: v1(90.8,115.12) U213.21 ; U4.2 82.51,107.1 v1(90.8,107.1)
  Bottom w0.2: v1(90.8,107.1) v1(90.8,115.12)
/sensor column3/sensor1/OUT: length 34.8
  Top w0.2: 80.5,95 78.95,96.55 78.95,105.3 81.35,107.7 v1(91.4,107.7) ; v1(91.4,115.78) U213.22
  Bottom w0.2: v1(91.4,115.78) v1(91.4,107.7)
/sensor column3/sensor2/OUT: length 47.7
  Top w0.2: v1(92,116.42) U213.23 ; v1(92,108.3) 80.2,108.3 78.45,106.55 78.45,87.05 80.5,85
  Bottom w0.2: v1(92,108.3) v1(92,116.42)
/sensor column3/sensor3/OUT: length 41.4
  Top w0.2: U213.9 81.78,112 79,112 77.95,110.95 77.95,77.55 80.5,75
/sensor column3/sensor4/OUT: length 52.6
  Top w0.2: 80.5,65 77.45,68.05 77.45,111.45 78.53,112.53 U213.8
/sensor column3/sensor5/OUT: length 63.9
  Top w0.2: 80.5,55 76.95,58.55 76.95,111.95 78.17,113.17 U213.7
/sensor column3/sensor6/OUT: length 75.1
  Top w0.2: 80.5,45 76.45,49.05 76.45,112.45 77.83,113.83 U213.6
